# KiCad board weisse_cpu.kicad_pcb
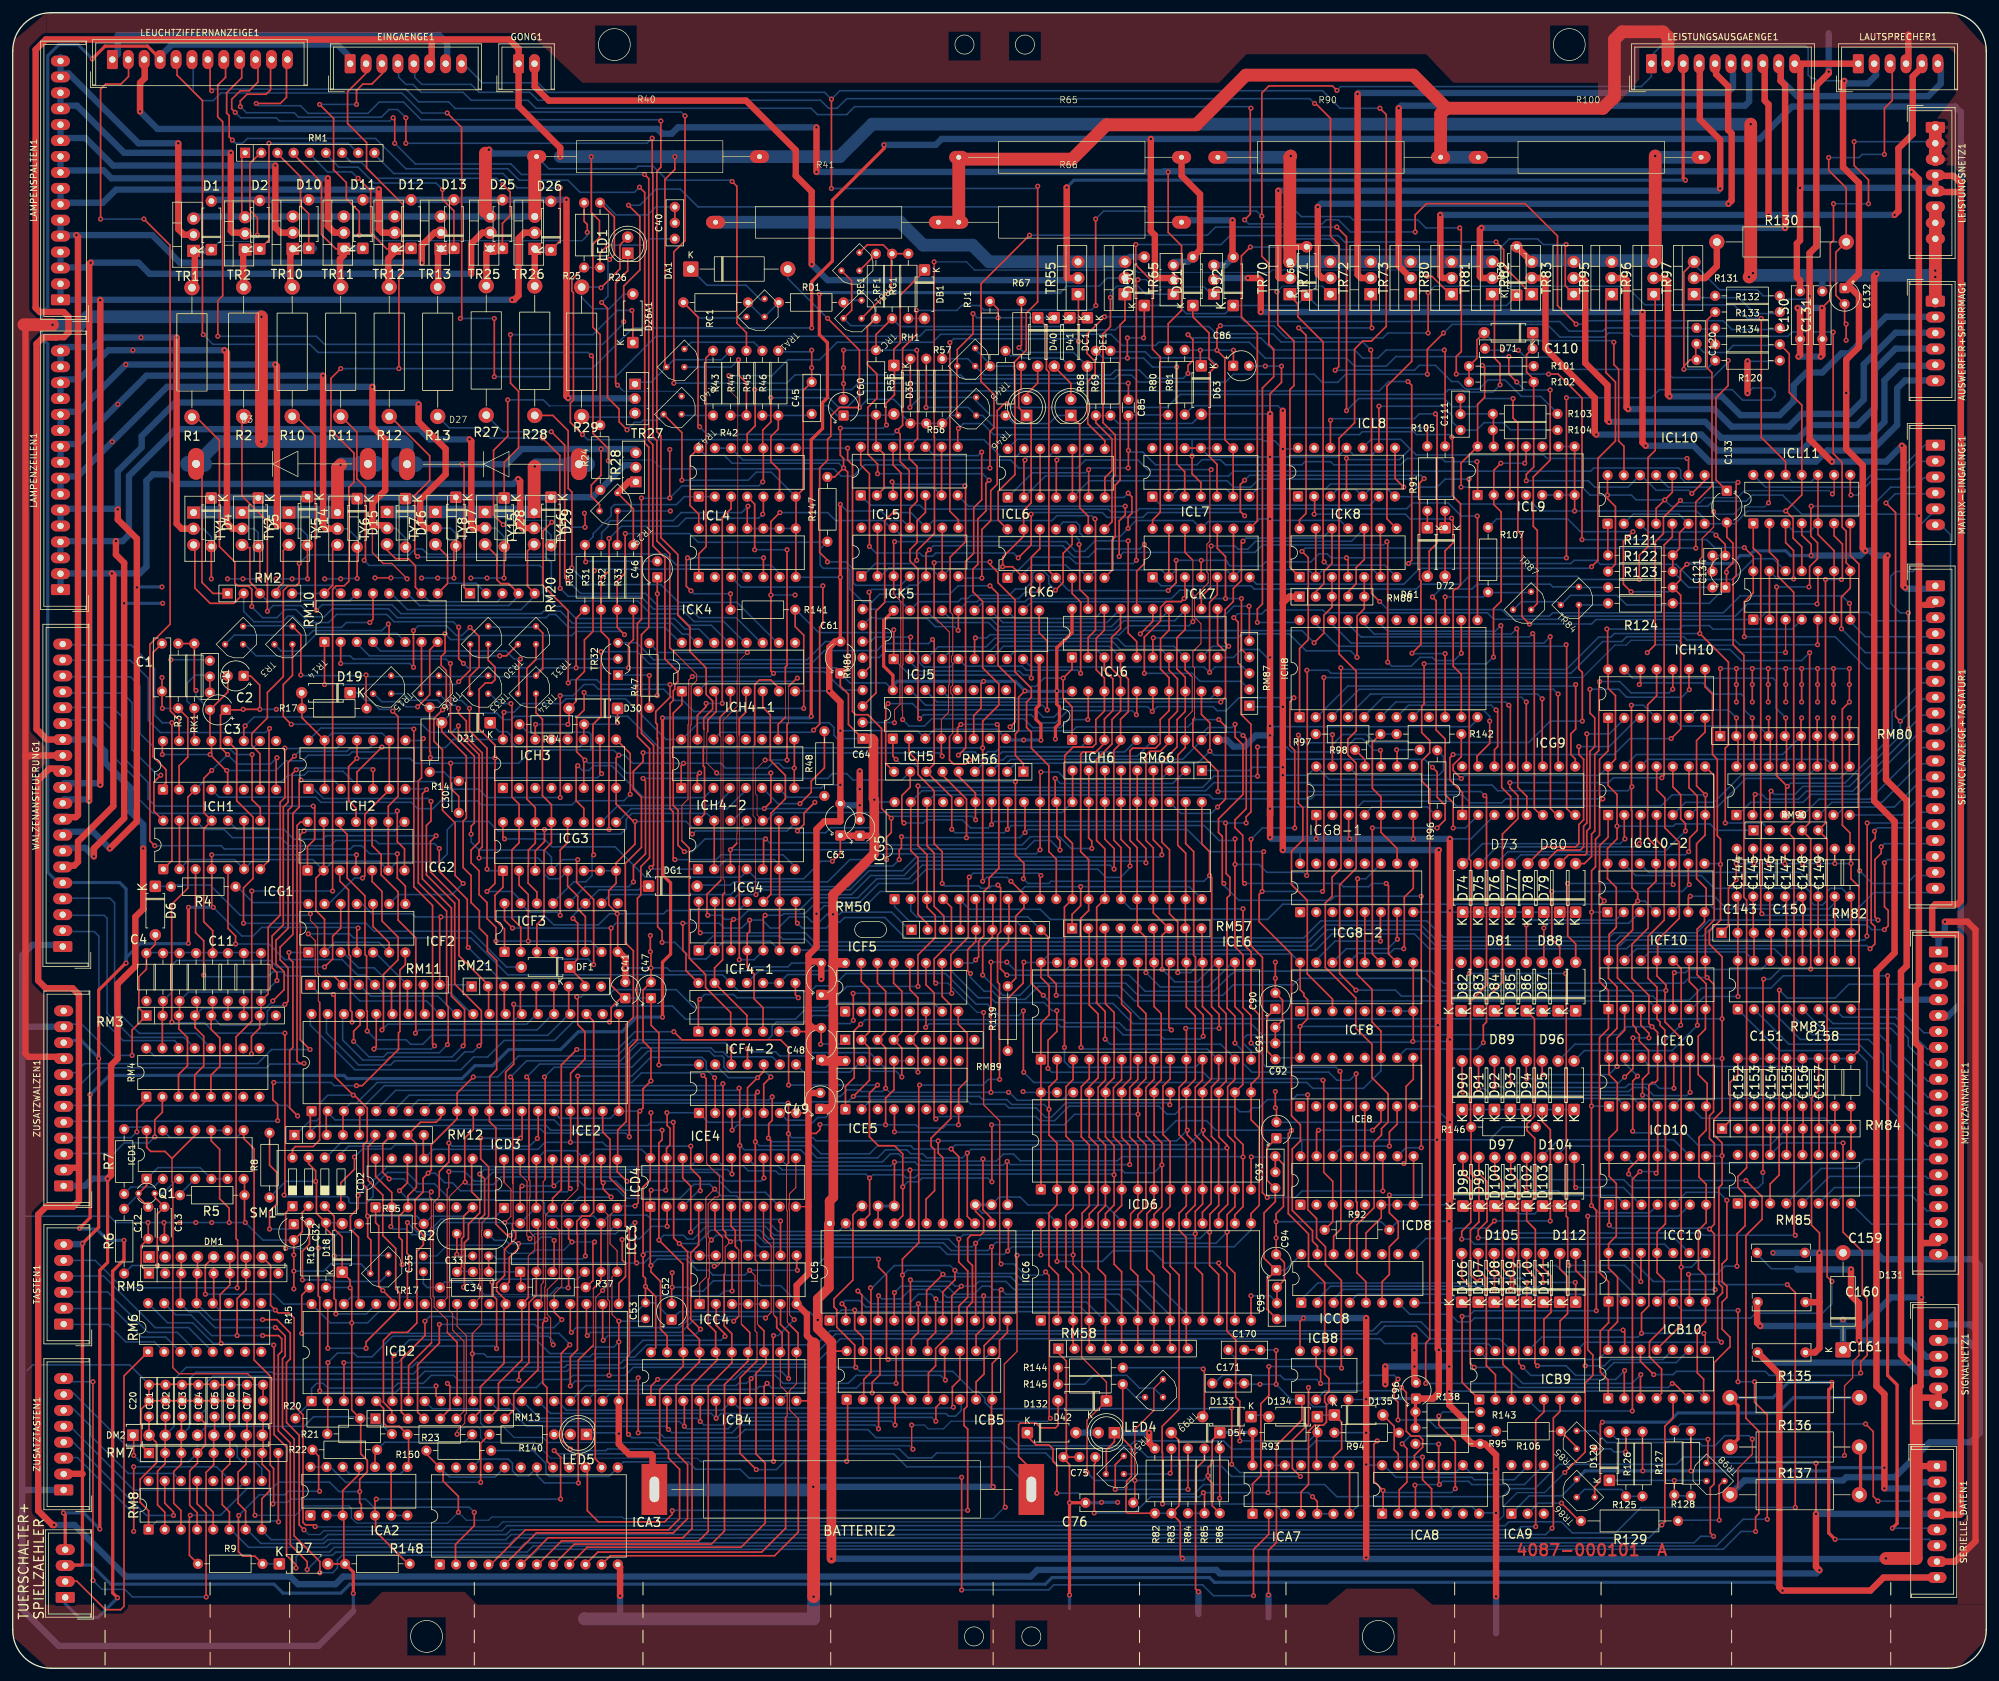
[diagram p0: board, top side]
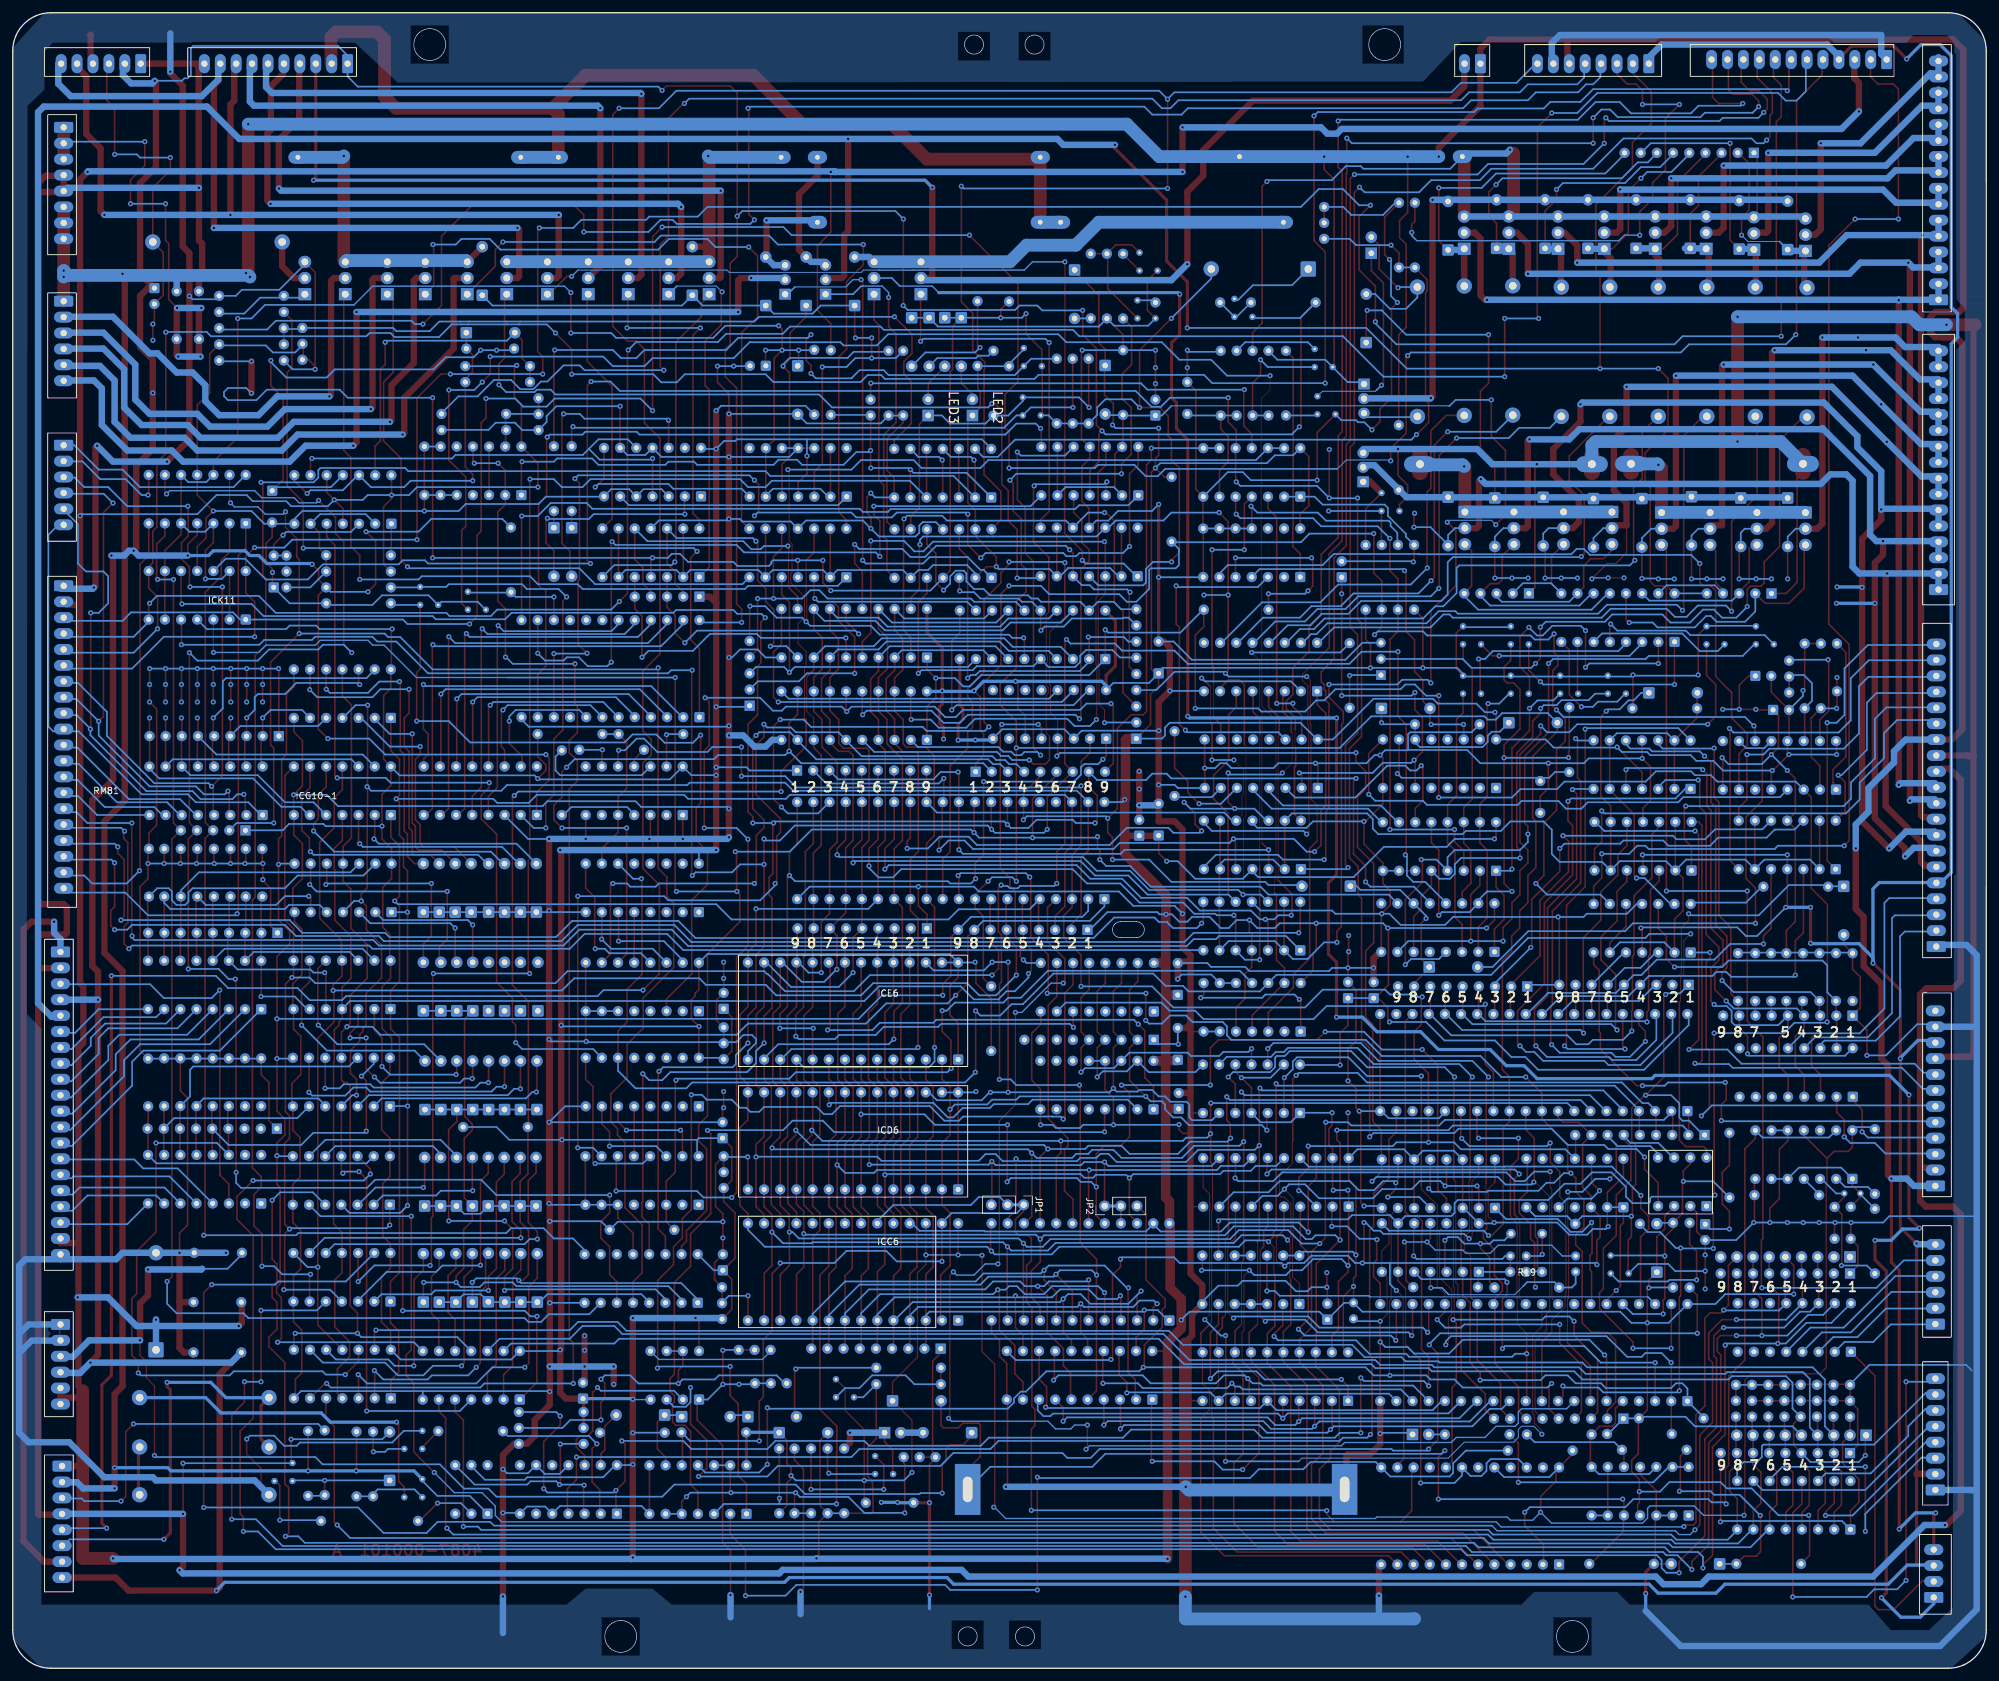
[diagram p1: board, bottom side, seen from below]

Outline 310 x 260 mm; copper layers: Top, Bottom. Coordinates in mm from the lower left corner of the outline.
Outline path: circle c65,5 r2.5 ; circle c94.5,255 r2.5 ; circle c149.5,255 r1.5 ; circle c151,5 r1.5 ; circle c159,255 r1.5 ; circle c160,5 r1.5 ; circle c214.5,5 r2.5 ; circle c244.5,255 r2.5 ; 0,254 arc(1.76,258.24) 6,260 304,260 arc(308.24,258.24) 310,254 310,6 arc(308.24,1.76) 304,0 6,0 arc(1.76,1.76) 0,6 0,254 ; 133.5,114.75 arc(132.25,116) 133.5,117.25 136,117.25 arc(137.25,116) 136,114.75 133.5,114.75
Stack: Top 0.035mm / dielectric 1.1mm FR4 er 4.5 / Bottom 0.035mm

## Placement (name value [footprint] x y rotation side)
AUSWERFER+SPERRMAG1  Conn_01x06_Pin  [Lumberg_MSF_B6B-MSF-A_1x06_P2.50mm_Vertical]  302 214.7 270 top
BATTERIE2  SAFT  [Batterie]  130 28.09 0 top
C1  C  [C_Rect_L9.0mm_W2.5mm_P7.50mm_MKT]  23.45 153.44 90 top
C2  C  [CP_Radial_Tantal_D4.5mm_P2.50mm]  36.28 155.85 180 top
C3  C  [CP_Radial_Tantal_D4.5mm_P2.50mm]  33.48 150.52 180 top
C4  C  [C_Axial_L3.8mm_D2.6mm_P7.50mm_Horizontal]  21 104.8 90 top
C5  C  [C_Axial_L3.8mm_D2.6mm_P7.50mm_Horizontal]  23.6 104.8 90 top
C6  C  [C_Axial_L3.8mm_D2.6mm_P7.50mm_Horizontal]  26.2 104.8 90 top
C7  C  [C_Axial_L3.8mm_D2.6mm_P7.50mm_Horizontal]  28.8 104.8 90 top
C8  C  [C_Axial_L3.8mm_D2.6mm_P7.50mm_Horizontal]  31.4 104.8 90 top
C9  C  [C_Axial_L3.8mm_D2.6mm_P7.50mm_Horizontal]  33.8 104.8 90 top
C10  C  [C_Axial_L3.8mm_D2.6mm_P7.50mm_Horizontal]  36.3 104.8 90 top
C11  C  [C_Axial_L3.8mm_D2.6mm_P7.50mm_Horizontal]  39 104.8 90 top
C12  C  [C_Disc_D4.3mm_W1.9mm_P5.00mm]  21.29 72.46 270 top
C13  C  [C_Disc_D4.3mm_W1.9mm_P5.00mm]  23.83 72.46 270 top
C20  C  [C_Rect_L7.0mm_Double2]  21.4 39.52 90 top
C21  C  [C_Rect_L7.0mm_Double2]  24 39.52 90 top
C22  C  [C_Rect_L7.0mm_Double2]  26.6 39.52 90 top
C23  C  [C_Rect_L7.0mm_Double2]  29.16 39.52 90 top
C24  C  [C_Rect_L7.0mm_Double2]  31.7 39.52 90 top
C25  C  [C_Rect_L7.0mm_Double2]  34.24 39.52 90 top
C26  C  [C_Rect_L7.0mm_Double2]  36.78 39.52 90 top
C27  C  [C_Rect_L7.0mm_Double2]  39.32 39.52 90 top
C30  C  [C_Disc_D4.3mm_W1.9mm_P5.00mm]  70.06 134.34 90 top
C32  2,2u 25V  [CP_Radial_Tantal_D4.5mm_P2.50mm]  44.15 69.74 270 top
C33  15pF  [C_Rect_L4.6mm_W2.0mm_P2.50mm_MKS02_FKP02]  72.25 64.75 0 top
C34  100pF  [C_Rect_L7.0mm_Double2]  74.78 62.25 180 top
C35  10nF  [C_Rect_L4.6mm_W2.0mm_P2.50mm_MKS02_FKP02]  64.5 62.25 90 top
C40  C  [C_Rect_L7.0mm_Double2]  104 224.5 90 top
C41  10nS  [CP_Radial_Tantal_D4.5mm_P2.50mm]  96.22 105.25 90 top
C45  C  [C_Rect_L7.2mm_W2.5mm_P5.00mm_FKS2_FKP2_MKS2_MKP2]  125.5 197 90 top
C46  C  [CP_Radial_Tantal_D4.5mm_P2.50mm]  101.25 171.35 90 top
C47  C  [CP_Radial_Tantal_D4.5mm_P2.50mm]  100.25 105.25 90 top
C48  C  [CP_Radial_Tantal_D4.5mm_P5.00mm]  127 95.55 90 top
C49  C  [CP_Radial_Tantal_D4.5mm_P2.50mm]  126.85 87.85 90 top
C50  C  [CP_Radial_Tantal_D4.5mm_P5.00mm]  127 105.75 90 top
C52  C  [CP_Radial_Tantal_D4.5mm_P2.50mm]  103.5 54.75 90 top
C53  10nF  [C_Rect_L4.6mm_W2.0mm_P2.50mm_MKS02_FKP02]  99.4 54.88 90 top
C60  C  [CP_Radial_Tantal_D4.5mm_P2.50mm]  130.51 196.74 90 top
C61  C  [CP_Radial_Tantal_D4.5mm_P5.00mm]  130 156.25 90 top
C63  C  [CP_Radial_Tantal_D4.5mm_P5.00mm]  130 130.78 90 top
C64  C  [CP_Radial_Tantal_D4.5mm_P2.50mm]  133.05 130.75 90 top
C75  C  [C_Rect_L7.0mm_Double2]  170.05 33.17 180 top
C76  C  [C_Rect_L9.0mm_W2.5mm_P7.50mm_MKT]  168.5 26 0 top
C85  C  [C_Disc_D3.0mm_W1.6mm_P2.50mm]  175.25 199.25 270 top
C86  1uF  [CP_Radial_Tantal_D4.5mm_P2.50mm]  191.7 204.55 0 top
C90  10u 25V  [CP_Radial_Tantal_D4.5mm_P2.50mm]  198.33 103.57 90 top
C91  10nF  [C_Rect_L7.0mm_Double2]  198.33 95.65 90 top
C92  10u 25V  [CP_Radial_Tantal_D4.5mm_P2.50mm]  198.5 83.25 90 top
C93  10nF  [C_Rect_L7.0mm_Double2]  198.33 75.41 90 top
C94  C  [CP_Radial_Tantal_D4.5mm_P2.50mm]  198.45 62.5 90 top
C95  10nF  [C_Rect_L7.0mm_Double2]  198.58 54.84 90 top
C96  10u 25V  [CP_Radial_Tantal_D4.5mm_P2.50mm]  220.43 42.35 90 top
C110  0,1µF +-10%  [C_Rect_L9.0mm_W2.5mm_P7.50mm_MKT]  231.25 207.25 0 top
C111  C  [C_Rect_L7.0mm_Double2]  227.41 194.46 90 top
C120  C  [C_Rect_L7.0mm_Double2]  264.5 210.5 270 top
C121  1uF  [C_Rect_L7.0mm_Double2]  267 169.75 90 top
C130  C  [C_Rect_L9.0mm_W2.5mm_P7.50mm_MKT]  280.75 208.75 90 top
C131  C  [C_Rect_L9.0mm_W2.5mm_P7.50mm_MKT]  284.25 208.75 90 top
C132  C  [CP_Radial_Tantal_D4.5mm_P2.50mm]  287.75 216.75 270 top
C133  C  [CP_Radial_Tantal_D4.5mm_P5.00mm]  269.25 184.93 270 top
C134  10nF  [CP_Radial_Tantal_D4.5mm_P5.00mm]  269 169.75 90 top
C143  C  [C_Axial_L3.8mm_D2.6mm_P7.50mm_Horizontal]  270.8 121.2 90 top
C144  C  [C_Axial_L3.8mm_D2.6mm_P7.50mm_Horizontal]  273.4 121.2 90 top
C145  C  [C_Axial_L3.8mm_D2.6mm_P7.50mm_Horizontal]  275.8 121.2 90 top
C146  C  [C_Axial_L3.8mm_D2.6mm_P7.50mm_Horizontal]  278.4 121.2 90 top
C147  C  [C_Axial_L3.8mm_D2.6mm_P7.50mm_Horizontal]  281 121.2 90 top
C148  C  [C_Axial_L3.8mm_D2.6mm_P7.50mm_Horizontal]  283.6 121.2 90 top
C149  C  [C_Axial_L3.8mm_D2.6mm_P7.50mm_Horizontal]  286.2 121.2 90 top
C150  C  [C_Axial_L3.8mm_D2.6mm_P7.50mm_Horizontal]  288.6 121.2 90 top
C151  C  [C_Axial_L3.8mm_D2.6mm_P7.50mm_Horizontal]  270.97 88.29 90 top
C152  C  [C_Axial_L3.8mm_D2.6mm_P7.50mm_Horizontal]  273.51 88.29 90 top
C153  C  [C_Axial_L3.8mm_D2.6mm_P7.50mm_Horizontal]  276.05 88.29 90 top
C154  C  [C_Axial_L3.8mm_D2.6mm_P7.50mm_Horizontal]  278.59 88.29 90 top
C155  C  [C_Axial_L3.8mm_D2.6mm_P7.50mm_Horizontal]  281.13 88.29 90 top
C156  C  [C_Axial_L3.8mm_D2.6mm_P7.50mm_Horizontal]  283.67 88.29 90 top
C157  C  [C_Axial_L3.8mm_D2.6mm_P7.50mm_Horizontal]  286.21 88.29 90 top
C158  C  [C_Axial_L3.8mm_D2.6mm_P7.50mm_Horizontal]  288.73 88.25 90 top
C159  C  [C_Rect_L9.0mm_W2.5mm_P7.50mm_MKT]  274 65.25 0 top
C160  C  [C_Rect_L9.0mm_W2.5mm_P7.50mm_MKT]  274.1 57.5 0 top
C161  C  [C_Rect_L9.0mm_W2.5mm_P7.50mm_MKT]  274.1 49.6 0 top
C170  10nF  [C_Rect_L7.0mm_Double2]  190.96 50 0 top
C171  100nF  [C_Rect_L7.0mm_Double2]  188.42 44.75 0 top
CI1  C  [C_Rect_L7.0mm_Double2]  30.96 158.24 270 top
D1  D  [D_A-405_P7.62mm_Horizontal]  31.2 222.8 90 top
D2  D  [D_A-405_P7.62mm_Horizontal]  38.8 222.88 90 top
D3  D  [BigDiode]  42.3 189.15 0 top
D4  D  [D_A-405_P7.62mm_Horizontal]  31.2 183.79 270 top
D5  D  [D_A-405_P7.62mm_Horizontal]  38.56 183.79 270 top
D6  D  [D_A-405_P7.62mm_Horizontal]  22.4 122.8 270 top
D7  D  [D_A-405_P7.62mm_Horizontal]  41.88 16.4 0 top
D10  D  [D_A-405_P7.62mm_Horizontal]  46.5 223 90 top
D11  D  [D_A-405_P7.62mm_Horizontal]  55 223 90 top
D12  D  [D_A-405_P7.62mm_Horizontal]  62.56 223 90 top
D13  D  [D_A-405_P7.62mm_Horizontal]  69.3 223 90 top
D14  D  [D_A-405_P7.62mm_Horizontal]  46.3 184 270 top
D15  D  [D_A-405_P7.62mm_Horizontal]  54.1 183.7 270 top
D16  D  [D_A-405_P7.62mm_Horizontal]  61.7 183.7 270 top
D17  D  [D_A-405_P7.62mm_Horizontal]  69.6 183.9 270 top
D18  D  [D_A-405_P7.62mm_Horizontal]  51.75 62.2 90 top
D19  D  [D_A-405_P7.62mm_Horizontal]  53 153.2 180 top
D21  D  [D_A-405_P7.62mm_Horizontal]  75 148.5 180 top
D25  D  [D_A-405_P7.62mm_Horizontal]  76.92 223 90 top
D26  D  [D_A-405_P7.62mm_Horizontal]  84.54 222.75 90 top
D26A1  D  [D_A-405_P7.62mm_Horizontal]  97.4 208.2 90 top
D27  D  [BigDiode]  75.45 189.1 0 top
D28  D  [D_A-405_P7.62mm_Horizontal]  77.2 183.8 270 top
D29  D  [D_A-405_P7.62mm_Horizontal]  84.54 183.92 270 top
D30  D  [D_A-405_P7.62mm_Horizontal]  95 150.75 180 top
D35  D  [D_A-405_P7.62mm_Horizontal]  138.4 204.6 270 top
D40  D  [D_A-405_P7.62mm_Horizontal]  161 212.1 270 top
D41  D  [D_A-405_P7.62mm_Horizontal]  163.6 212.1 270 top
D42  ZPD3  [D_A-405_P7.62mm_Horizontal]  159.38 37 0 top
D50  D  [D_A-405_P7.62mm_Horizontal]  177.75 214.02 90 top
D51  D  [D_A-405_P7.62mm_Horizontal]  185.37 214.02 90 top
D52  D  [D_A-405_P7.62mm_Horizontal]  191.72 214.02 90 top
D54  D  [D_A-405_P7.62mm_Horizontal]  189.6 37 180 top
D60  D  [D_A-405_P7.62mm_Horizontal]  203.25 215.63 90 top
D61  D  [D_A-405_P7.62mm_Horizontal]  222.2 179.12 270 top
D63  ZPD3  [D_A-405_P7.62mm_Horizontal]  186.7 204.55 270 top
D70  D  [D_A-405_P7.62mm_Horizontal]  236.25 215.63 90 top
D71  D  [D_A-405_P7.62mm_Horizontal]  238.75 209.75 180 top
D72  D  [D_A-405_P7.62mm_Horizontal]  225 179.12 270 top
D73  D  [D_A-405_P7.62mm_Horizontal]  227.75 118.75 90 top
D74  D  [D_A-405_P7.62mm_Horizontal]  230.25 118.75 90 top
D75  D  [D_A-405_P7.62mm_Horizontal]  232.75 118.75 90 top
D76  D  [D_A-405_P7.62mm_Horizontal]  235.25 118.75 90 top
D77  D  [D_A-405_P7.62mm_Horizontal]  238 118.75 90 top
D78  D  [D_A-405_P7.62mm_Horizontal]  240.5 118.75 90 top
D79  D  [D_A-405_P7.62mm_Horizontal]  243 118.75 90 top
D80  D  [D_A-405_P7.62mm_Horizontal]  245.5 118.75 90 top
D81  D  [D_A-405_P7.62mm_Horizontal]  227.5 103.25 90 top
D82  D  [D_A-405_P7.62mm_Horizontal]  230.25 103.25 90 top
D83  D  [D_A-405_P7.62mm_Horizontal]  232.75 103.25 90 top
D84  D  [D_A-405_P7.62mm_Horizontal]  235.25 103.25 90 top
D85  D  [D_A-405_P7.62mm_Horizontal]  237.75 103.25 90 top
D86  D  [D_A-405_P7.62mm_Horizontal]  240.25 103.25 90 top
D87  D  [D_A-405_P7.62mm_Horizontal]  242.75 103.25 90 top
D88  D  [D_A-405_P7.62mm_Horizontal]  245.5 103.25 90 top
D89  D  [D_A-405_P7.62mm_Horizontal]  227.66 87.75 90 top
D90  D  [D_A-405_P7.62mm_Horizontal]  230.25 87.75 90 top
D91  D  [D_A-405_P7.62mm_Horizontal]  232.75 87.75 90 top
D92  D  [D_A-405_P7.62mm_Horizontal]  235.25 87.75 90 top
D93  D  [D_A-405_P7.62mm_Horizontal]  237.75 87.75 90 top
D94  D  [D_A-405_P7.62mm_Horizontal]  240.25 87.75 90 top
D95  D  [D_A-405_P7.62mm_Horizontal]  242.75 87.75 90 top
D96  D  [D_A-405_P7.62mm_Horizontal]  245.25 87.75 90 top
D97  D  [D_A-405_P7.62mm_Horizontal]  227.8 72.6 90 top
D98  D  [D_A-405_P7.62mm_Horizontal]  230.3 72.6 90 top
D99  D  [D_A-405_P7.62mm_Horizontal]  232.8 72.6 90 top
D100  D  [D_A-405_P7.62mm_Horizontal]  235.3 72.6 90 top
D101  D  [D_A-405_P7.62mm_Horizontal]  237.8 72.6 90 top
D102  D  [D_A-405_P7.62mm_Horizontal]  240.3 72.6 90 top
D103  D  [D_A-405_P7.62mm_Horizontal]  242.8 72.6 90 top
D104  D  [D_A-405_P7.62mm_Horizontal]  245.3 72.6 90 top
D105  D  [D_A-405_P7.62mm_Horizontal]  227.6 57.5 90 top
D106  D  [D_A-405_P7.62mm_Horizontal]  230.2 57.5 90 top
D107  D  [D_A-405_P7.62mm_Horizontal]  232.7 57.5 90 top
D108  D  [D_A-405_P7.62mm_Horizontal]  235.29 57.55 90 top
D109  D  [D_A-405_P7.62mm_Horizontal]  237.8 57.5 90 top
D110  D  [D_A-405_P7.62mm_Horizontal]  240.4 57.5 90 top
D111  D  [D_A-405_P7.62mm_Horizontal]  243 57.5 90 top
D112  D  [D_A-405_P7.62mm_Horizontal]  245.5 57.5 90 top
D120  D  [D_A-405_P7.62mm_Horizontal]  250.8 29.5 90 top
D131  ITT ZY ZPD5,6  [D_DO-15_P15.24mm_Horizontal]  287.5 50.01 90 top
D132  D  [D_A-405_P7.62mm_Horizontal]  171.8 42 180 top
D133  D  [D_A-405_P7.62mm_Horizontal]  194.52 39.52 180 top
D134  D  [D_A-405_P7.62mm_Horizontal]  204.93 39.52 180 top
D135  D  [D_A-405_P7.62mm_Horizontal]  207.6 39.77 0 top
DA1  ITT BZV 4,7  [D_DO-15_P15.24mm_Horizontal]  106.5 219.75 0 top
DB1  ZPD3  [D_A-405_P7.62mm_Horizontal]  143.21 219.6 270 top
DC1  D  [D_A-405_P7.62mm_Horizontal]  166.05 212.1 270 top
DE1  D  [D_A-405_P7.62mm_Horizontal]  168.8 212.1 270 top
DF1  D  [D_A-405_P7.62mm_Horizontal]  87.5 110.13 180 top
DG1  D  [D_A-405_P7.62mm_Horizontal]  99.88 122.83 0 top
DM1  DAN_801  [SIP9_Housing]  21.4 64.6 0 top
DM2  DAN_801  [SIP9_Housing]  18.88 36.6 0 top
EINGAENGE1  Conn_01x08_Male  [Lumberg_MSF_B8B-MSF-A_1x08_P2.50mm_Vertical]  53 252 0 top
GONG1  Conn_01x02_Pin  [Lumberg_MSF_B2B-MSF-A_1x02_P2.50mm_Vertical]  79.46 252 0 top  (not fitted)
ICA2  LM324  [DIP-14_W7.62mm]  46.75 24 90 top
ICA3  HD146818  [DIP-24_W15.24mm]  67.1 16.3 90 top
ICA7  4066  [DIP-14_W7.62mm]  194.75 24.25 90 top
ICA8  40106  [DIP-14_W7.62mm]  215.09 24.28 90 top
ICA9  CNY17-1  [DIP-6_W7.62mm]  235.41 24.28 90 top
ICB2  8085  [DIP-40_W15.24mm]  46.94 41.96 90 top
ICB4  74LS245  [DIP-20_W7.62mm]  100.25 42 90 top
ICB5  74LS373  [DIP-20_W7.62mm]  131 42.2 90 top
ICB8  ICM7555xP  [DIP-8_W7.62mm]  202.2 42.2 90 top
ICB9  4066  [DIP-14_W7.62mm]  230.36 42.2 90 top
ICB10  4066  [DIP-14_W7.62mm]  250.6 42.4 90 top
ICC3  74LS04  [DIP-14_W7.62mm]  79.7 62.25 90 top
ICC4  74LS00  [DIP-14_W7.62mm]  107.9 57.2 90 top
ICC5  2764  [DIP-24_W15.24mm]  128.31 54.63 90 top
ICC6  CXK5816PN-12L  [DIP-28_W15.24mm]  161.5 54.63 90 top
ICC8  74LS42  [DIP-16_W7.62mm]  202.4 57.4 90 top
ICC10  4066  [DIP-14_W7.62mm]  250.67 57.6 90 top
ICD1  CD4007  [DIP-14_W7.62mm]  21.04 76.86 90 top
ICD2  74LS74  [DIP-14_W7.62mm]  57 72.4 90 top  (not fitted)
ICD3  74LS257  [DIP-16_W7.62mm]  77.17 72.28 90 top
ICD4  74LS244  [DIP-20_W7.62mm]  100.15 72.5 90 top
ICD6  27128  [DIP-28_W15.24mm]  161.5 75.2 90 top
ICD8  CD4051B  [DIP-16_W7.62mm]  202.26 72.79 90 top
ICD10  4066  [DIP-14_W7.62mm]  250.76 72.8 90 top
ICE2  8256  [DIP-40_W15.24mm]  46.94 87.5 90 top
ICE4  74125  [DIP-14_W7.62mm]  107.8 87.2 90 top
ICE5  74LS42  [DIP-16_W7.62mm]  130.8 87.78 90 top
ICE6  27128  [DIP-28_W15.24mm]  161.5 95.6 90 top
ICE8  4040  [DIP-16_W7.62mm]  202.22 88.25 90 top
ICE10  4066  [DIP-14_W7.62mm]  250.75 88.25 90 top
ICF2  LM324  [DIP-14_W7.62mm]  46.44 112.42 90 top
ICF3  4028  [DIP-16_W7.62mm]  77.25 112.5 90 top
ICF4-1  LM324  [DIP-14_W7.62mm]  107.75 112.75 90 top
ICF4-2  4013  [DIP-14_W7.62mm]  107.7 100 90 top
ICF5  74LS42  [DIP-16_W7.62mm]  130.75 103.15 90 top
ICF8  CD4051B  [DIP-16_W7.62mm]  202.22 103.2 90 top
ICF10  4066  [DIP-14_W7.62mm]  250.65 103.53 90 top
ICG1  LM324  [DIP-14_W7.62mm]  23.65 125.5 90 top
ICG2  LM324  [DIP-14_W7.62mm]  46.3 125.3 90 top
ICG3  4051  [DIP-16_W7.62mm]  77 125.25 90 top
ICG4  LM324  [DIP-14_W7.62mm]  107.65 125.5 90 top
ICG5  8279  [DIP-40_W15.24mm]  138.52 120.8 90 top
ICG8-1  74LS290  [DIP-14_W7.62mm]  204.76 134 90 top
ICG8-2  4040  [DIP-16_W7.62mm]  202.22 118.75 90 top
ICG9  ~  [DIP-16_W7.62mm]  227.67 134.01 90 top
ICG10-1  4066  [DIP-14_W7.62mm]  250.6 134 90 top
ICG10-2  4066  [DIP-14_W7.62mm]  250.5 118.75 90 top
ICH1  4098  [DIP-16_W7.62mm]  23.6 138 90 top
ICH2  LM324  [DIP-14_W7.62mm]  46.45 138.1 90 top
ICH3  4040  [DIP-16_W7.62mm]  77 138.25 90 top
ICH4-1  ULN2004A  [DIP-16_W7.62mm]  105.11 153.44 90 top
ICH4-2  4520  [DIP-16_W7.62mm]  105 138.25 90 top
ICH5  74LS138  [DIP-16_W7.62mm]  138.25 146 90 top
ICH6  74AHC273  [DIP-20_W7.62mm]  166.4 145.8 90 top
ICH8  CD74HC4067M  [DIP-24_W15.24mm]  202.14 149.37 90 top
ICH10  4066  [DIP-14_W7.62mm]  250.6 149.25 90 top
ICJ5  74AHC273  [DIP-20_W7.62mm]  138.38 158.5 90 top
ICJ6  74AHC273  [DIP-20_W7.62mm]  166.39 158.75 90 top
ICK4  4013  [DIP-14_W7.62mm]  107.76 171.38 90 top
ICK5  LM324  [DIP-14_W7.62mm]  133.3 171.5 90 top
ICK6  LM324  [DIP-14_W7.62mm]  156.25 171.25 90 top
ICK7  LM324  [DIP-14_W7.62mm]  179.05 171.35 90 top
ICK8  LM324  [DIP-14_W7.62mm]  202.14 171.38 90 top
ICK11  LM324  [DIP-14_W7.62mm]  273.4 164.7 90 top
ICL4  4093  [DIP-14_W7.62mm]  107.75 184 90 top
ICL5  LM324  [DIP-14_W7.62mm]  133.2 184.2 90 top
ICL6  4093  [DIP-14_W7.62mm]  156.3 183.88 90 top
ICL7  LM324  [DIP-14_W7.62mm]  179.01 184 90 top
ICL8  4013  [DIP-14_W7.62mm]  201.88 184.04 90 top
ICL9  4093  [DIP-14_W7.62mm]  230.1 184.25 90 top
ICL10  NE556  [DIP-14_W7.62mm]  250.52 179.75 90 top
ICL11  LM349N  [DIP-14_W7.62mm]  273.4 179.8 90 top
JP1  RAM/ROM  [PinHeader_1x03_P2.54mm_Vertical]  151.21 72.79 270 bottom
JP2  ROM/RAM  [PinHeader_1x03_P2.54mm_Vertical]  138.48 72.6 90 bottom
LAMPENSPALTEN1  Conn_01x16_Male  [Lumberg_MSF_B16B-MSF-A_1x16_P2.50mm_Vertical]  7.5 214.92 90 top
LAMPENZEILEN1  Conn_01x16_Pin  [Lumberg_MSF_B16B-MSF-A_1x16_P2.50mm_Vertical]  7.5 169.4 90 top
LAUTSPRECHER1  Conn_01x06_Pin  [Lumberg_MSF_B6B-MSF-A_1x06_P2.50mm_Vertical]  289.89 252 0 top
LED1  Normal Aus, An bei Kurzschluss  [LED_D5.0mm]  96.6 222.22 90 top
LED2  Normal an, taktet Kurzschluss Magnet/Spielz  [LED_D5.0mm]  159.25 196.75 90 top
LED3  Normal an, taktet Kurzschluss Lichtschranken  [LED_D5.0mm]  166.2 196.75 90 top
LED4  Normal an, aus Reset/5V fehlt  [LED_D5.0mm]  173.06 37 180 top
LED5  Normal aus, an Batterie defekt  [LED_D5.0mm]  90.12 36.72 180 top
LEISTUNGSAUSGAENGE1  Conn_01x10_Pin  [Lumberg_MSF_B10B-MSF-A_1x10_P2.50mm_Vertical]  257.4 252 0 top  (not fitted)
LEISTUNGSNETZ1  Conn_01x08_Male  [Lumberg_MSF_B8B-MSF-A_1x08_P2.50mm_Vertical]  302 242 270 top
LEUCHTZIFFERNANZEIGE1  Conn_01x12_Pin  [Lumberg_MSF_B12B-MSF-A_1x12_P2.50mm_Vertical]  15.65 252.65 0 top
MATRIX-EINGAENGE1  Conn_01x06_Pin  [Lumberg_MSF_B6B-MSF-A_1x06_P2.50mm_Vertical]  302 192.08 270 top  (not fitted)
MUENZANNAHME1  Conn_01x20_Pin  [Lumberg_MSF_B20B-MSF-A_1x20_P2.50mm_Vertical]  302.5 112.5 270 top
Q1  Crystal  [Crystal_AT310_D3.0mm_L10.0mm_Vertical]  22.31 74.57 180 top
Q2  6,144MHz  [Crystal_HC18-U_Vertical]  69.75 68.25 0 top
R1  1,2k 5%  [R_Axial_DIN0414_L11.9mm_D4.5mm_P20.32mm_Horizontal]  28.15 196.5 90 top
R2  1,2k 5%  [R_Axial_DIN0414_L11.9mm_D4.5mm_P20.32mm_Horizontal]  36.28 196.6 90 top
R3  1 MΩ ±5%  [R_Axial_DIN0207_L6.3mm_D2.5mm_P10.16mm_Horizontal]  25.99 150.77 90 top
R4  470 Ω ±5%  [R_Axial_DIN0207_L6.3mm_D2.5mm_P10.16mm_Horizontal]  35 122.75 180 top
R5  350 kΩ ±5%  [R_Axial_DIN0207_L6.3mm_D2.5mm_P10.16mm_Horizontal]  26.25 74.3 0 top
R6  10 MΩ ±5%  [R_Axial_DIN0207_L6.3mm_D2.5mm_P10.16mm_Horizontal]  17.5 62 90 top
R7  150 kΩ ±5%  [R_Axial_DIN0207_L6.3mm_D2.5mm_P10.16mm_Horizontal]  17.5 74.5 90 top
R8  10 Ω ±5%  [R_Axial_DIN0207_L6.3mm_D2.5mm_P10.16mm_Horizontal]  40.34 73.94 90 top
R9  330 Ω ±5%  [R_Axial_DIN0207_L6.3mm_D2.5mm_P10.16mm_Horizontal]  29.09 16.4 0 top
R10  1,2k 5%  [R_Axial_DIN0414_L11.9mm_D4.5mm_P20.32mm_Horizontal]  43.9 196.6 90 top
R11  1,2k 5%  [R_Axial_DIN0414_L11.9mm_D4.5mm_P20.32mm_Horizontal]  51.52 196.6 90 top
R12  1,2k 5%  [R_Axial_DIN0414_L11.9mm_D4.5mm_P20.32mm_Horizontal]  59.14 196.6 90 top
R13  1,2k 5%  [R_Axial_DIN0414_L11.9mm_D4.5mm_P20.32mm_Horizontal]  66.76 196.6 90 top
R14  100 kΩ ±5%  [R_Axial_DIN0207_L6.3mm_D2.5mm_P10.16mm_Horizontal]  65.5 140.75 90 top
R15  1 kΩ ±5%  [R_Axial_DIN0207_L6.3mm_D2.5mm_P10.16mm_Horizontal]  46.6 59.8 90 top
R16  100 kΩ ±5%  [R_Axial_DIN0207_L6.3mm_D2.5mm_P10.16mm_Horizontal]  49.2 59.8 90 top
R17  100 kΩ ±5%  [R_Axial_DIN0207_L6.3mm_D2.5mm_P10.16mm_Horizontal]  45.42 150.75 0 top
R19  1 kΩ ±5%  [R_Axial_DIN0207_L6.3mm_D2.5mm_P10.16mm_Horizontal]  67.1 59.8 0 top
R20  1 kΩ ±5%  [R_Axial_DIN0207_L6.3mm_D2.5mm_P10.16mm_Horizontal]  44.4 39.25 0 top
R21  1 kΩ ±5%  [R_Axial_DIN0207_L6.3mm_D2.5mm_P10.16mm_Horizontal]  49.4 36.8 0 top
R22  10 kΩ ±5%  [R_Axial_DIN0207_L6.3mm_D2.5mm_P10.16mm_Horizontal]  47.07 34.31 0 top
R23  320 kΩ ±5%  [R_Axial_DIN0207_L6.3mm_D2.5mm_P10.16mm_Horizontal]  62 36.72 0 top
R24  4.7 kΩ ±5%  [R_Axial_DIN0207_L6.3mm_D2.5mm_P10.16mm_Horizontal]  92.28 185.06 90 top